# Altium PCB 移动无线控制.PcbDoc (part 2 of 4)
Units mil, origin at the board's own origin, x right, y up, seen from the top; angles counter-clockwise.
Board outline 17007.87 x 11459.7 mil, 4 copper layers (Top Layer, GND, S2, Bottom Layer), stack 30.634 mil thick; 703 components, 716 nets, 1756 pads, 483 vias.
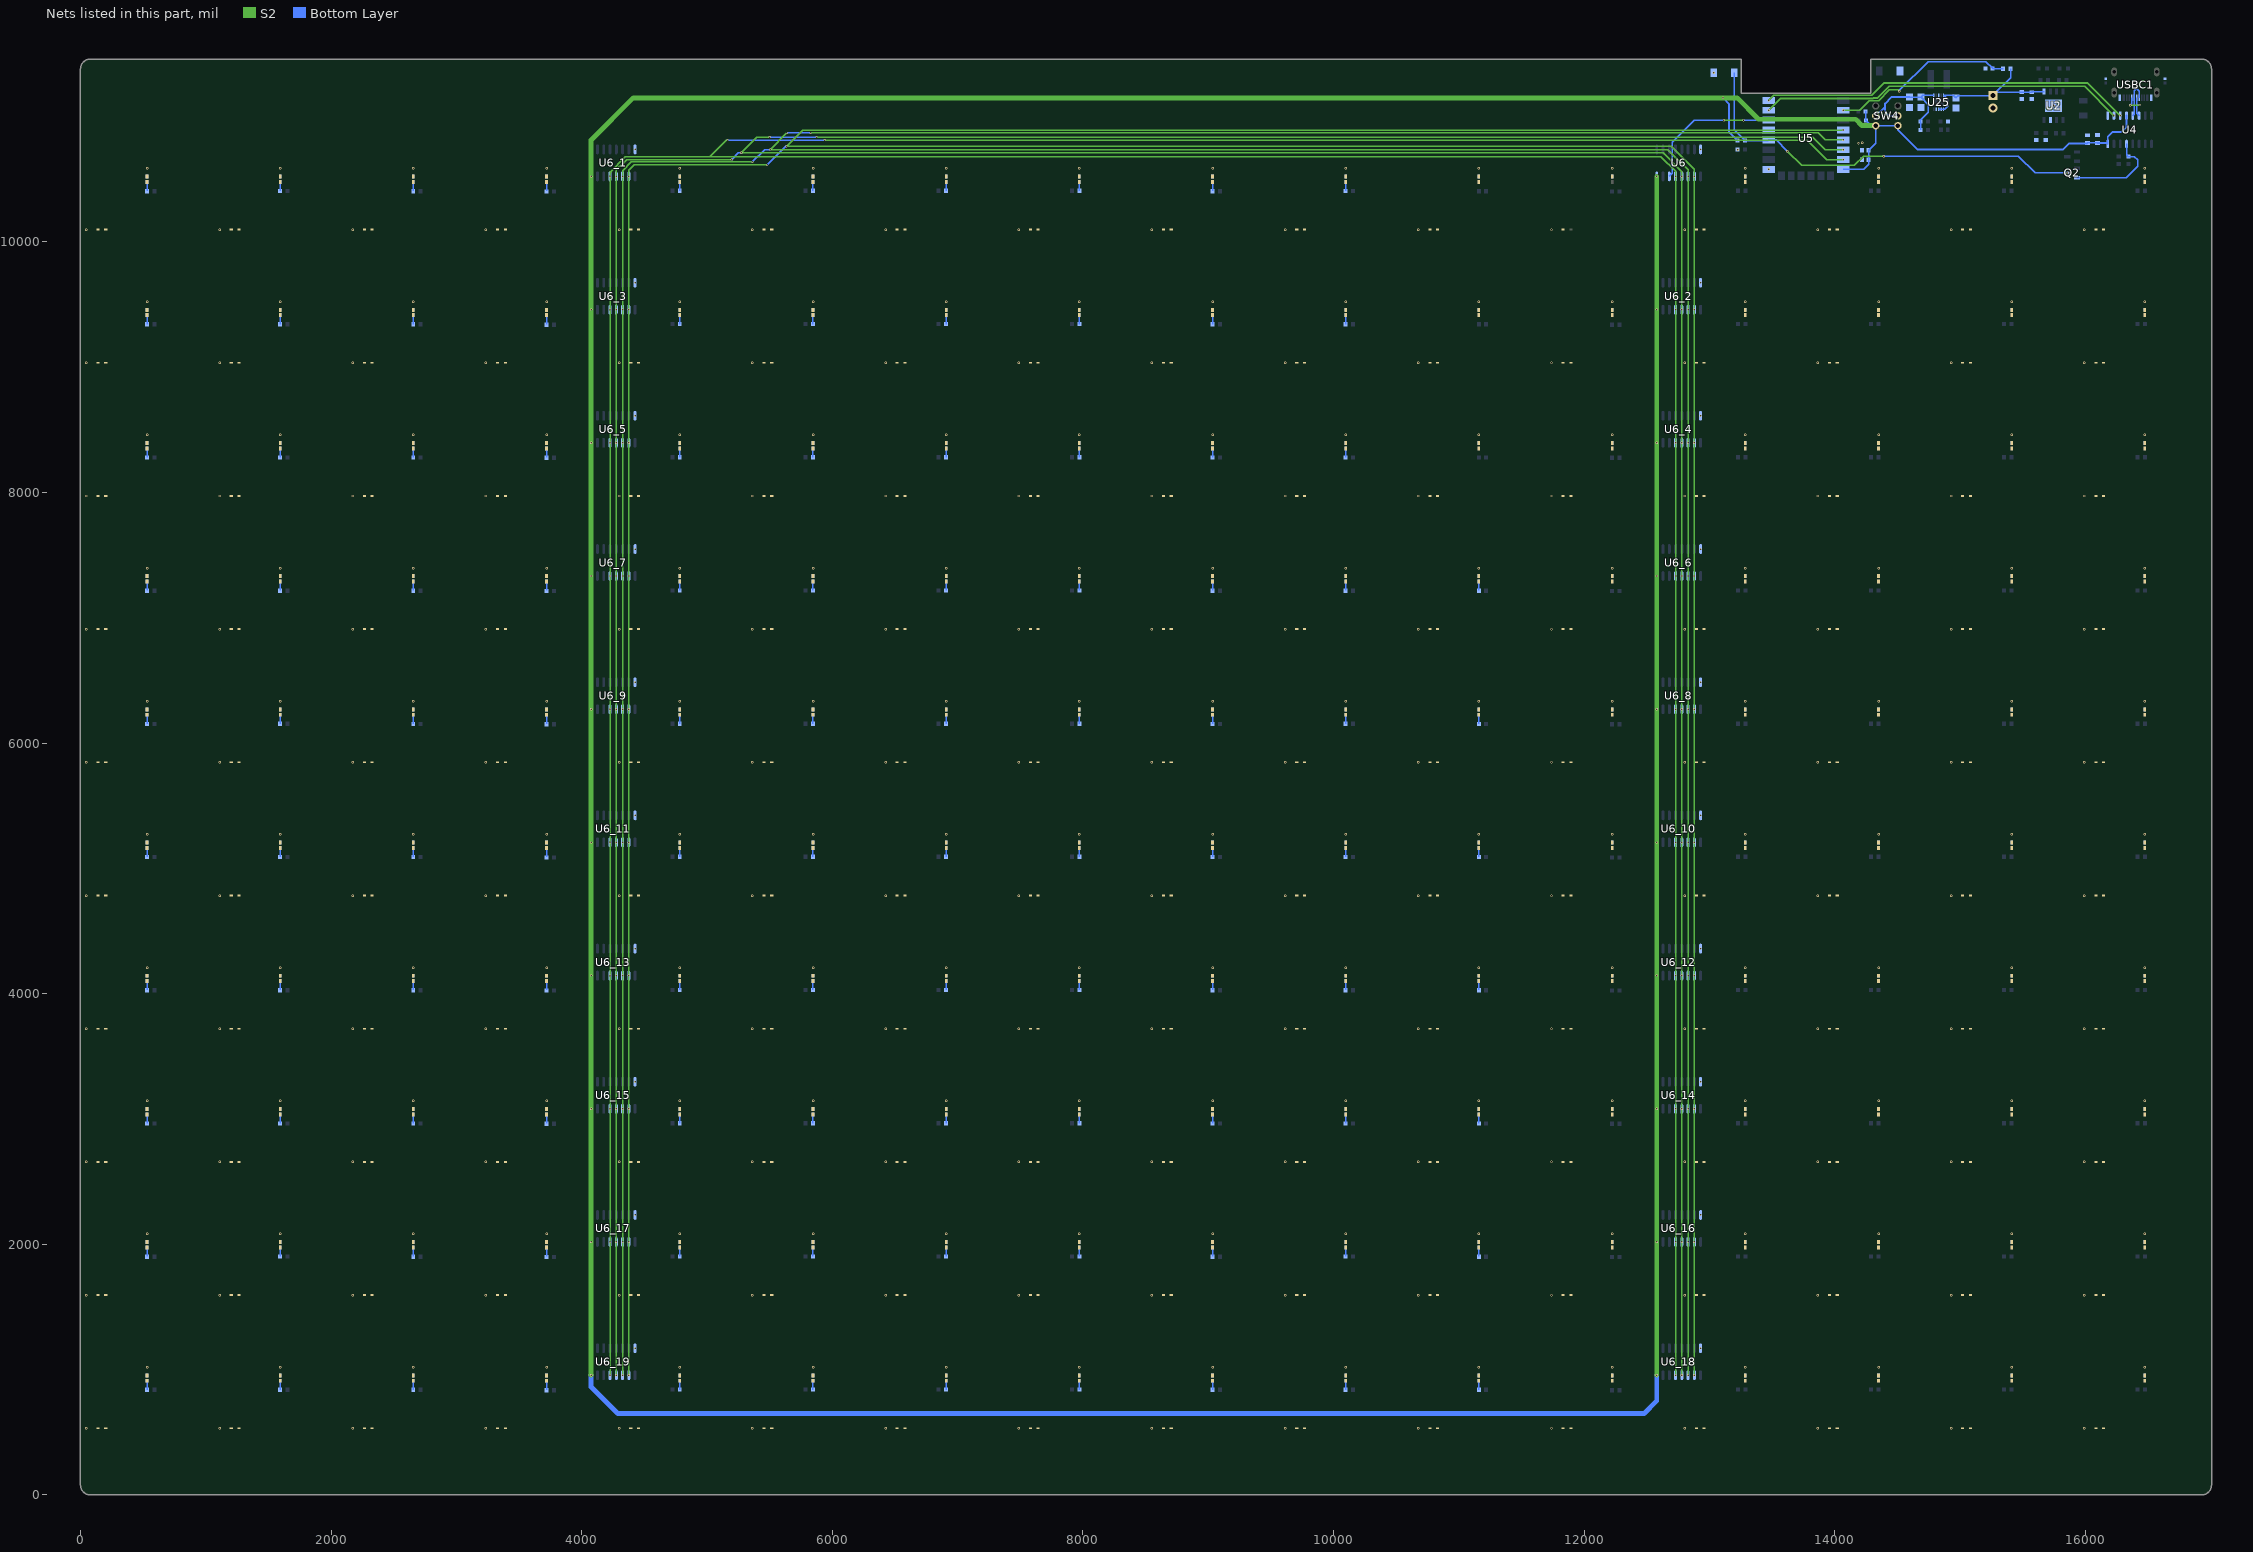
[diagram p4: the nets of this part, all layers, seen from the top]

## Footprints (in the part's own frame and the unit in brackets; to place one, negate y for a bottom-side part, rotate by r counter-clockwise, add the part's x,y. Pads: shape width x height; smd on the part's side, far side on the other; paste and mask are expansions set on the pad) (continued)
R1206 [mil]
  rect 47.5x67 smd mask+2: 1(-58.2,0) 2(58.2,0)
  silkscreen extent -91,-43 91,43
SC-79_L1.2-W0.8-LS1.6-RD [mm]
  rect 0.63x0.36 smd: 1(-0.785,0) 2(0.785,0)
  silkscreen extent -0.9,-0.55 0.68,0.55
SOIC-16_L9.9-W3.9-P1.27-LS6.0-BL [mil]
  oval 23.7x77.6 smd mask+2: 1(-175,-107.7) 2(-125,-107.7) 3(-75,-107.7) 4(-25,-107.7) 5(25,-107.7) 6(75,-107.7) 7(125,-107.7) 8(175,-107.7) 9(175,107.7) 10(125,107.7) 11(75,107.7) 12(25,107.7) 13(-25,107.7) 14(-75,107.7) 15(-125,107.7) 16(-175,107.7)
  silkscreen extent -211,-111 198,60
SOP-16_L10.0-W3.9-P1.27-LS6.0-BL [mm]
  oval 0.56x1.745 smd mask+0.051: 1(-4.445,-2.872) 2(-3.175,-2.872) 3(-1.905,-2.872) 4(-0.635,-2.872) 5(0.635,-2.872) 6(1.905,-2.872) 7(3.175,-2.872) 8(4.445,-2.872) 9(4.445,2.872) 10(3.175,2.872) 11(1.905,2.872) 12(0.635,2.872) 13(-0.635,2.872) 14(-1.905,2.872) 15(-3.175,2.872) 16(-4.445,2.872)
  silkscreen extent -5.33,-3.02 5.08,1.77
SOT-23-3_L2.9-W1.3-P1.90-LS2.4-BR [mm]
  rect 1.25x0.7 smd mask+0.051: 1(1,-0.95) 2(1,0.95) 3(-1,0)
  silkscreen extent -0.73,-1.53 0.73,1.53
SW-TH_6P-L5.8-W5.8-P2.00-LS4.5-BL [mm]
  round 1.5 hole 0.9 mask+0.05: 1(-2,-2.25) 2(0,-2.25) 3(2,-2.25) 4(-2,2.25) 5(0,2.25) 6(2,2.25)
  silkscreen extent -2.9,-2.9 2.9,2.9
USB-C-SMD_TYPE-C-USB-17 [mil]
  oval 47.2x70.9 hole 27.6 slot 55.1 at 90 deg mask+2: 0(-170.1,-103.7) 0(170.1,-103.7)
  oval 43.3x78.7 hole 27.6 slot 63 at 90 deg mask+2: 0(-170.1,61.6) 0(170.1,61.6)
  rect 19.7x51.2 smd mask+2: A1(-126,103.7) A4(-94.5,103.7) A9(94.5,103.7) A12(126,103.7)
  rect 11x51.2 smd mask+2: A5(-49.2,103.7) A6(-9.8,103.7) A7(9.8,103.7) A8(49.2,103.7) B5(68.9,103.7) B6(29.5,103.7) B7(-29.5,103.7) B8(-68.9,103.7)
  Keep-Out Layer board cut-out: -113.8,52.4 -120.22,50.93 -125.37,46.83 -128.23,40.89 -128.23,34.31 -125.37,28.37 -120.22,24.27 -113.8,22.8 -113.8,22.8 -107.38,24.27 -102.23,28.37 -99.37,34.31 -99.37,40.89 -102.23,46.83 -107.38,50.93 -113.8,52.4 -113.8,52.4
  Keep-Out Layer board cut-out: 113.8,52.4 107.38,50.93 102.23,46.83 99.37,40.89 99.37,34.31 102.23,28.37 107.38,24.27 113.8,22.8 113.8,22.8 120.22,24.27 125.37,28.37 128.23,34.31 128.23,40.89 125.37,46.83 120.22,50.93 113.8,52.4 113.8,52.4
  silkscreen extent -170,-205 170,69
WIFIM-SMD_ESP-12F-ESP8266MOD [mil]
  rect 55.1x98.4 smd mask+2: 1(-301.2,-297.3) 2(-222.5,-297.3) 3(-143.7,-297.3) 4(-65,-297.3) 5(13.8,-297.3) 6(92.5,-297.3) 7(171.2,-297.3) 8(250,-297.3) 9(250,297.2) 10(171.2,297.3) 11(92.5,297.3) 12(13.8,297.3) 13(-65,297.2) 14(-143.7,297.3) 15(-222.5,297.3) 16(-301.2,297.3)
  rect 66.9x55.1 smd mask+2: 17(301.2,-196.8) 18(301.1,-118.2) 19(301.2,-39.5) 20(301.2,39.3) 21(301.2,118) 22(301.2,196.7)
  silkscreen extent -636,-351 309,315

## Via types
v1: diameter 19.68, hole 11.81, Top Layer to Bottom Layer, tented both sides, 320 vias
v2: diameter 17.72, hole 11.81, Top Layer to Bottom Layer, 146 vias
v3: diameter 19.68, hole 11.81, Top Layer to Bottom Layer, 17 vias

## Nets (pads, with @x,y where several pads share a name; then routed paths per layer and width w, separated by ;. In a path a pad name is that pad's centre, name@x,y a point inside that pad or via, vN(x,y) a via of type N, cw(c..) or ccw(c..) an arc to the next point about the centre after c; other vN are vias at no path point)
3V3: C1.2 C3.2 R1.2 R2.2 SW4.2 SW4.5 U25.1 | length 1012
  Bottom Layer w10: C3.2@14598,11155.45 14598.3,11155.15 C1.2@14689.2,11155.15 ; R1.2@14684.36,10960.42 14684.36,10973.16 14748,11036.8 14748,11096.35 C1.2@14689.2,11155.15 ; R2.2@14685.36,10894.12 R1.2@14685.36,10959.42 ; U25.1@14790.4,11170 14704.05,11170 C1.2@14689.2,11155.15
  Bottom Layer w15: SW4.5@14328.14,11006.5 14402.4,11080.76 ; SW4.2@14505.3,11006.5 14437,11006.5 14402.4,11041.1 14402.4,11080.76 ; C3.2@14598,11155.45 14453.05,11155.45 14402.4,11104.8 14402.4,11080.76
BAT+: C5.2 C6.2 C9.2 H5.1 R15.1 U2.5 U25.5 U25.6 U25.7 U25.8 | length 1301.3
  Bottom Layer w10: U25.8@14829.8,11059.18 U25.7@14849.5,11059.18 U25.6@14869.2,11059.18 14879.08,11059.18 14900.9,11081 14900.9,11138.3 U25.5@14869.2,11170 14947.95,11170 C5.2@14968,11149.95 14984.75,11166.7 15263.6,11166.7 15262,11165.1 H5.1@15276.2,11165.1 ; R15.1@15404.76,11382.5 15404.76,11310.26 H5.1@15263.6,11169.1 15289.76,11195.26 C6.2@15493.7,11195.26 ; C6.2@15494.4,11194.56 C9.2@15572.2,11194.56 15578.34,11200.7 U2.5@15672,11200.7
D+: U4.5 USBC1.A6 USBC1.B6 | length 306.9
  Bottom Layer w10: U4.5@16379.3,11008.39 16391,11020.09 USBC1.A6@16391,11150 16391,11207.6 16401.2,11217.8 16415.9,11217.8 16430.3,11203.4 USBC1.B6@16430.3,11150
D-: U4.6 USBC1.A7 USBC1.B7 | length 317.4
  S2 w10: v2(16358.8,11091.6) v2@16436.4,11091.6
  Bottom Layer w10: v2(16358.8,11091.6) 16371.3,11104.1 USBC1.B7@16371.3,11150 ; 16410.1,11092.2 v2(16437,11092.2) ; USBC1.A7@16410.6,11150 16410.6,11027.09 U4.6@16429.3,11008.39
DTR#: Q2.2 R8.1 U4.13 | length 778.7
  Bottom Layer w10: Q2.2@15933.97,10512.9 16327.9,10512.9 16418.8,10603.8 16418.8,10654.1 16391.54,10681.36 R8.1@16345.2,10681.36 ; U4.13@16329.3,10782.21 16329.3,10697.26 R8.1@16345.2,10681.36 ; R8.1@16334.26,10681.36 R8.1@16345.2,10681.36 ; R8.1@16345.2,10678.7 R8.1@16345.2,10681.36
ESP_AD: R15.2 R16.1 U5.2 | length 1481.2
  S2 w10: v3(14068.7,11050.9) 14200.5,11050.9 14276.7,11127.1 14350.6,11127.1 14436.7,11213.2 14505.9,11213.2 v3(14516.9,11202.2)
  Bottom Layer w10: v3(14516.9,11202.2) 14516.9,11208.8 14748,11439.9 15206.06,11439.9 R16.1@15261.66,11384.3 15263.46,11382.5 R15.2@15345.44,11382.5
  Bottom Layer w15: R16.1@15261.66,11384.3 R16.1@15261.66,11390.84
ESP_IO0: Q2.3 R14.2 SW1.1 U5.12 | length 3320.2
  S2 w10: v3(13623.4,10725.1) 13736.8,10611.7 14158.4,10611.7 14232.1,10685.4 v3(14390.9,10685.4)
  Bottom Layer w10: SW1.1@13197.79,11349.9 13197.79,10896.47 R14.2@13285.56,10808.7 13468.2,10808.7 U5.12@13474.1,10814.6 13533.9,10814.6 v3(13623.4,10725.1) ; v3(14390.9,10685.4) 15464.3,10685.4 15599.4,10550.3 v3(15855.23,10550.3)
ESP_IO4: U5.13
ESP_IO5: U5.14 U6.14 | length 1125.6
  S2 w10: v2(13116,10972.1) v2(13272.6,10972.1)
  Bottom Layer w10: U6.14@12680.1,10522.9 12704.3,10547.1 12704.3,10795.6 12880.8,10972.1 v2(13116,10972.1) ; v2(13272.6,10972.1) U5.14@13474.1,10972.1
ESP_IO12: U5.6 U6.12 U6_1.12 U6_2.12 U6_3.12 U6_4.12 U6_5.12 U6_6.12 U6_7.12 U6_8.12 U6_9.12 U6_10.12 U6_11.12 U6_12.12 U6_13.12 U6_14.12 U6_15.12 U6_16.12 U6_17.12 U6_18.12 U6_19.12 | length 36737.4
  S2 w10: v2(4276.16,955.97) v2(4276.16,5207.94) v2(4276.16,9459.91) v2(4276.16,10522.9) 4276.16,10574.56 4359.4,10657.8 v2(5197.4,10657.8) ; v2(5501.2,10837.3) 5398.1,10837.3 v2(5272.8,10712) 12630.1,10712 12780.1,10562 v2(12780.1,10522.9) v2(12780.1,9459.91) v2(12780.1,5207.94) v2(12780.1,955.97) ; v2(5874.3,10837.3) 13824.1,10837.3 13925.5,10735.9 v2(14068.7,10735.9)
  Bottom Layer w10: v2(5197.4,10657.8) 5251.6,10712 v2(5272.8,10712) ; v2(5501.2,10837.3) v2(5874.3,10837.3)
  other v2: 4276.16,2018.96 12780.1,2018.96 4276.16,3081.96 12780.1,3081.96 4276.16,4144.95 12780.1,4144.95 4276.16,6270.93 12780.1,6270.93 4276.16,7333.92 12780.1,7333.92 4276.16,8396.92 12780.1,8396.92
ESP_IO13: U5.7 U6.13 U6_1.13 U6_2.13 U6_3.13 U6_4.13 U6_5.13 U6_6.13 U6_7.13 U6_8.13 U6_9.13 U6_10.13 U6_11.13 U6_12.13 U6_13.13 U6_14.13 U6_15.13 U6_16.13 U6_17.13 U6_18.13 U6_19.13 | length 42291.7
  S2 w10: v2(4226.16,3081.96) v2(4226.16,955.97) v2(4226.16,5207.94) v2(4226.16,9459.91) v2(4226.16,10522.9) 4226.16,10557.36 4349,10680.2 12613.1,10680.2 12730.1,10563.2 v2(12730.1,10522.9) v2(12730.1,9459.91) v2(12730.1,5207.94) ; 5023.3,10680.3 5155.9,10812.9 v2(5164.1,10812.9) ; v2(5940,10812.9) 13782.2,10812.9 13937.9,10657.2 v2(14068.7,10657.2) ; v2(12730.1,955.97) v2(12730.1,5207.94) ; v2(12730.1,6270.93) v2(12730.1,5207.94) ; v2(12730.1,7333.92) v2(12730.1,5207.94)
  Bottom Layer w10: v2(5164.1,10812.9) v2(5940,10812.9)
  other v2: 4226.16,2018.96 12730.1,2018.96 12730.1,3081.96 4226.16,4144.95 12730.1,4144.95 4226.16,6270.93 4226.16,7333.92 4226.16,8396.92 12730.1,8396.92
ESP_IO14: U5.5 U6.11 U6_1.11 U6_2.11 U6_3.11 U6_4.11 U6_5.11 U6_6.11 U6_7.11 U6_8.11 U6_9.11 U6_10.11 U6_11.11 U6_12.11 U6_13.11 U6_14.11 U6_15.11 U6_16.11 U6_17.11 U6_18.11 U6_19.11 | length 36515.2
  S2 w10: v2(4326.16,955.97) v2(4326.16,5207.94) v2(4326.16,9459.91) v2(4326.16,10522.9) 4326.16,10570.06 4394.5,10638.4 v2(5362.9,10638.4) ; v2(5637.8,10870.3) v2(5505.2,10737.7) 12667.1,10737.7 12830.1,10574.7 v2(12830.1,10522.9) v2(12830.1,9459.91) v2(12830.1,5207.94) v2(12830.1,955.97) ; v2(5827,10870.3) 13867.6,10870.3 13923.3,10814.6 v2(14068.7,10814.6)
  Bottom Layer w10: v2(5362.9,10638.4) 5462.2,10737.7 v2(5505.2,10737.7) ; v2(5637.8,10870.3) v2(5827,10870.3)
  other v2: 4326.16,2018.96 12830.1,2018.96 4326.16,3081.96 12830.1,3081.96 4326.16,4144.95 12830.1,4144.95 4326.16,6270.93 12830.1,6270.93 4326.16,7333.92 12830.1,7333.92 4326.16,8396.92 12830.1,8396.92
ESP_IO16: U5.4 U6.10 U6_1.10 U6_2.10 U6_3.10 U6_4.10 U6_5.10 U6_6.10 U6_7.10 U6_8.10 U6_9.10 U6_10.10 U6_11.10 U6_12.10 U6_13.10 U6_14.10 U6_15.10 U6_16.10 U6_17.10 U6_18.10 U6_19.10 | length 36386.9
  S2 w10: v2(4376.16,955.97) v2(4376.16,5207.94) v2(4376.16,9459.91) v2(4376.16,10522.9) 4376.16,10571.56 4419.6,10615 v2(5479.6,10615) ; v2(12880.1,955.97) v2(12880.1,5207.94) v2(12880.1,9459.91) v2(12880.1,10522.9) 12880.1,10580.6 12697.4,10763.3 v2(5635.1,10763.3) 5765.2,10893.4 v2(14068.7,10893.4)
  Bottom Layer w10: v2(5479.6,10615) 5627.9,10763.3 v2(5635.1,10763.3) v2@5634.9,10763.3
  other v2: 4376.16,2018.96 12880.1,2018.96 4376.16,3081.96 12880.1,3081.96 4376.16,4144.95 12880.1,4144.95 4376.16,6270.93 12880.1,6270.93 4376.16,7333.92 12880.1,7333.92 4376.16,8396.92 12880.1,8396.92
ESP_RXD: U4.2 U5.15 | length 2931.6
  S2 w15: v2(13474.1,11050.9) 13568.55,11145.35 14305.86,11145.35 14308.31,11147.8 14340.2,11147.8 14435,11242.6 15995.09,11242.6 v2(16229.3,11008.39)
ESP_TXD: U4.3 U5.16 | length 2969.7
  S2 w15: v2(13474.1,11129.6) 13514.85,11170.35 14295.5,11170.35 14392.75,11267.6 16020.09,11267.6 v2(16279.3,11008.39)
GND: C1.1 C3.1 C4.1 C5.1 C6.1 C7.1 C8.2 C9.1 C12.1 C13.1 C14.1 D1.1 D1_1.1 D1_2.1 D1_3.1 D1_4.1 D1_5.1 D1_6.1 D1_7.1 D1_8.1 D1_9.1 D1_10.1 D1_11.1 D1_12.1 D1_13.1 D1_14.1 D1_15.1 D2.1 D2_1.1 D2_2.1 D2_3.1 D2_4.1 D2_5.1 D2_6.1 D2_7.1 D2_8.1 D2_9.1 D2_10.1 D2_11.1 D2_12.1 D2_13.1 D2_14.1 D2_15.1 D3.1 D3_1.1 D3_2.1 D3_3.1 D3_4.1 D3_5.1 D3_6.1 D3_7.1 D3_8.1 D3_9.1 D3_10.1 D3_11.1 D3_12.1 D3_13.1 D3_14.1 D3_15.1 D4.1 D4_1.1 D4_2.1 D4_3.1 D4_4.1 D4_5.1 D4_6.1 D4_7.1 D4_8.1 D4_9.1 D4_10.1 D4_11.1 D4_12.1 D4_13.1 D4_14.1 D4_15.1 D5.1 D5_1.1 D5_2.1 D5_3.1 D5_4.1 D5_5.1 D5_6.1 D5_7.1 D5_8.1 D5_9.1 D5_10.1 D5_11.1 D5_12.1 D5_13.1 D5_14.1 D5_15.1 D6.1 D6_1.1 D6_2.1 D6_3.1 D6_4.1 D6_5.1 D6_6.1 D6_7.1 D6_8.1 D6_9.1 D6_10.1 D6_11.1 D6_12.1 D6_13.1 D6_14.1 D6_15.1 D7.1 D7_1.1 D7_2.1 D7_3.1 D7_4.1 D7_5.1 D7_6.1 D7_7.1 D7_8.1 D7_9.1 D7_10.1 D7_11.1 D7_12.1 D7_13.1 D7_14.1 D7_15.1 D8.1 D8_1.1 D8_2.1 D8_3.1 D8_4.1 D8_5.1 D8_6.1 D8_7.1 D8_8.1 D8_9.1 D8_10.1 D8_11.1 D8_12.1 D8_13.1 D8_14.1 D8_15.1 D9.1 D9_1.1 D9_2.1 D9_3.1 D9_4.1 D9_5.1 D9_6.1 D9_7.1 D9_8.1 D9_9.1 D9_10.1 D9_11.1 D9_12.1 D9_13.1 D9_14.1 D9_15.1 D10.1 D10_1.1 D10_2.1 D10_3.1 D10_4.1 D10_5.1 D10_6.1 D10_7.1 D10_8.1 D10_9.1 D10_10.1 D10_11.1 D10_12.1 D10_13.1 D10_14.1 D10_15.1 H5.2 R3.1 R9.1 R10.2 R13.1 R16.2 SW1.2 SW2.2 U2.3 U2.9 U4.1 U5.9 U6.8 U6_1.8 U6_2.8 U6_3.8 U6_4.8 U6_5.8 U6_6.8 U6_7.8 U6_8.8 U6_9.8 U6_10.8 U6_11.8 U6_12.8 U6_13.8 U6_14.8 U6_15.8 U6_16.8 U6_17.8 U6_18.8 U6_19.8 U25.3 U25.9 USBC1.A1 USBC1.A12
  other v1: 47.24,531.5 1110.24,531.5 2173.23,531.5 3236.22,531.5 4299.21,531.5 5362.2,531.5 6425.2,531.5 7488.19,531.5 8551.18,531.5 9614.17,531.5 10677.17,531.5 11740.16,531.5 12803.15,531.5 13866.14,531.5 14929.13,531.5 15992.13,531.5 47.24,1594.49 1110.24,1594.49 2173.23,1594.49 3236.22,1594.49 4299.21,1594.49 5362.2,1594.49 6425.2,1594.49 7488.19,1594.49 8551.18,1594.49 9614.17,1594.49 10677.17,1594.49 11740.16,1594.49 12803.15,1594.49 13866.14,1594.49 14929.13,1594.49 15992.13,1594.49 47.24,2657.48 1110.24,2657.48 2173.23,2657.48 3236.22,2657.48 4299.21,2657.48 5362.2,2657.48 6425.2,2657.48 7488.19,2657.48 8551.18,2657.48 9614.17,2657.48 10677.17,2657.48 11740.16,2657.48 12803.15,2657.48 13866.14,2657.48 14929.13,2657.48 15992.13,2657.48 47.24,3720.47 1110.24,3720.47 2173.23,3720.47 3236.22,3720.47 4299.21,3720.47 5362.2,3720.47 6425.2,3720.47 7488.19,3720.47 8551.18,3720.47 9614.17,3720.47 10677.17,3720.47 11740.16,3720.47 12803.15,3720.47 13866.14,3720.47 14929.13,3720.47 15992.13,3720.47 47.24,4783.46 1110.24,4783.46 2173.23,4783.46 3236.22,4783.46 4299.21,4783.46 5362.2,4783.46 6425.2,4783.46 7488.19,4783.46 8551.18,4783.46 9614.17,4783.46 10677.17,4783.46 11740.16,4783.46 12803.15,4783.46 13866.14,4783.46 14929.13,4783.46 15992.13,4783.46 47.24,5846.46 1110.24,5846.46 2173.23,5846.46 3236.22,5846.46 4299.21,5846.46 5362.2,5846.46 6425.2,5846.46 7488.19,5846.46 8551.18,5846.46 9614.17,5846.46 10677.17,5846.46 11740.16,5846.46 12803.15,5846.46 13866.14,5846.46 14929.13,5846.46 15992.13,5846.46 47.24,6909.45 1110.24,6909.45 2173.23,6909.45 3236.22,6909.45 4299.21,6909.45 5362.2,6909.45 6425.2,6909.45 7488.19,6909.45 8551.18,6909.45 9614.17,6909.45 10677.17,6909.45 11740.16,6909.45 12803.15,6909.45 13866.14,6909.45 14929.13,6909.45 15992.13,6909.45 47.24,7972.44 1110.24,7972.44 2173.23,7972.44 3236.22,7972.44 4299.21,7972.44 5362.2,7972.44 6425.2,7972.44 7488.19,7972.44 8551.18,7972.44 9614.17,7972.44 10677.17,7972.44 11740.16,7972.44 12803.15,7972.44 13866.14,7972.44 14929.13,7972.44 15992.13,7972.44 47.24,9035.43 1110.24,9035.43 2173.23,9035.43 3236.22,9035.43 4299.21,9035.43 5362.2,9035.43 6425.2,9035.43 7488.19,9035.43 8551.18,9035.43 9614.17,9035.43 10677.17,9035.43 11740.16,9035.43 12803.15,9035.43 13866.14,9035.43 14929.13,9035.43 15992.13,9035.43 47.24,10098.43 1110.24,10098.43 2173.23,10098.43 3236.22,10098.43 4299.21,10098.43 5362.2,10098.43 6425.2,10098.43 7488.19,10098.43 8551.18,10098.43 9614.17,10098.43 10677.17,10098.43 11740.16,10098.43 12803.15,10098.43 13866.14,10098.43 14929.13,10098.43 15992.13,10098.43
  other v2: 4426.16,1171.37 12930.1,1171.37 4426.16,2234.36 12930.1,2234.36 4426.16,3297.36 12930.1,3297.36 4426.16,4360.35 12930.1,4360.35 4426.16,5423.34 12930.1,5423.34 4426.16,6486.33 12930.1,6486.33 4426.16,7549.32 12930.1,7549.32 4426.16,8612.32 12930.1,8612.32 4426.16,9675.31 12930.1,9675.31 4426.16,10738.3 12930.1,10738.3
  other v3: 13474.2,10578.4 13225.94,10737.2 14190.5,10789.5 14221.2,10790 15747,11086.2 13034.01,11349.9
MCU_3V3: C7.2 C8.1 C12.2 C13.2 R11.1 R12.1 R14.1 SW4.3 SW4.6 U4.4 U4.16 U5.8 U6.16 U6_1.16 U6_2.16 U6_3.16 U6_4.16 U6_5.16 U6_6.16 U6_7.16 U6_8.16 U6_9.16 U6_10.16 U6_11.16 U6_12.16 U6_13.16 U6_14.16 U6_15.16 U6_16.16 U6_17.16 U6_18.16 U6_19.16 | length 42256.3
  S2 w39.37: v2(4076.16,955.97) v2(4076.16,5207.94) v2(4076.16,9459.91) v2(4076.16,10522.9) 4076.16,10813.46 4412.1,11149.4 13222.4,11149.4 13392.7,10979.1 14167.1,10979.1 14218.44,10927.76 SW4.6@14328.14,10927.76 ; v2(12580.1,955.97) v2(12580.1,5207.94) v2(12580.1,9459.91) v2(12580.1,10522.9)
  Bottom Layer w10: U5.8@14068.7,10578.4 14232.2,10578.4 14271.96,10618.16 C12.2@14271.96,10732 ; C8.1@16020.4,10790.5 C7.2@16098.7,10790.5 C7.2@16097.3,10791.9 ; U4.16@16171.01,10790.5 U4.16@16179.3,10782.21
  Bottom Layer w15: v3(13109,11149.2) 13156.2,11102 13156.2,10878.74 R14.1@13226.24,10808.7 ; R11.1@14247.76,11040.5 R12.1@14247.76,10970.7 ; R12.1@14248.36,10970.1 R12.1@14247.76,10970.7 ; C12.2@14271.96,10732 14328.14,10788.18 SW4.6@14328.14,10927.76 ; C8.1@16018.6,10791.9 16012.8,10786.1 15871.2,10786.1 15824.3,10739.2 14659.8,10739.2 14505.3,10893.7 SW4.3@14505.3,10927.76 SW4.6@14328.14,10927.76 ; C7.2@16098.7,10790.5 U4.16@16171.01,10790.5 ; U4.16@16179.3,10782.21 16179.3,10838.7 16217.4,10876.8 16289.1,10876.8 16329.3,10917 U4.4@16329.3,11008.39 ; R12.1@14247.76,10970.7 14290.7,10927.76 SW4.6@14328.14,10927.76
  Bottom Layer w39.37: v2(4076.16,955.97) 4076.16,861.44 4287.9,649.7 12479.5,649.7 12580.1,750.3 v2(12580.1,955.97)
  other v2: 4076.16,2018.96 12580.1,2018.96 4076.16,3081.96 12580.1,3081.96 4076.16,4144.95 12580.1,4144.95 4076.16,6270.93 12580.1,6270.93 4076.16,7333.92 12580.1,7333.92 4076.16,8396.92 12580.1,8396.92
NewNet1: D1.2 FL1.2
NewNet2: D2.2 FL2.2
NewNet3: BL2.2 FL2.1
  other v1: 531.5,9523.62
NewNet4: D3.2 FL3.2
NewNet5: BL3.2 FL3.1
  other v1: 531.5,8460.63
NewNet6: D4.2 FL4.2
NewNet7: BL4.2 FL4.1
  other v1: 531.5,7397.64
NewNet8: D5.2 FL5.2
NewNet9: BL5.2 FL5.1
  other v1: 531.5,6334.65
NewNet10: D6.2 FL6.2
NewNet11: BL6.2 FL6.1
  other v1: 531.5,5271.65
NewNet12: D7.2 FL7.2
NewNet13: BL7.2 FL7.1
  other v1: 531.5,4208.66
NewNet14: D8.2 FL8.2
NewNet15: BL8.2 FL8.1
  other v1: 531.5,3145.67
NewNet16: D9.2 FL9.2
NewNet17: BL9.2 FL9.1
  other v1: 531.5,2082.68
NewNet18: D10.2 FL10.2
NewNet19: BL10.2 FL10.1
  other v1: 531.5,1019.68
NewNet20: D10_1.2 FL10_1.2
NewNet21: D9_1.2 FL9_1.2
NewNet22: D8_1.2 FL8_1.2
NewNet23: D7_1.2 FL7_1.2
NewNet24: D6_1.2 FL6_1.2
NewNet25: D5_1.2 FL5_1.2
NewNet26: D4_1.2 FL4_1.2
NewNet27: D3_1.2 FL3_1.2